# Altium PCB PCB1.PcbDoc
Units mil, origin at the board's own origin, x right, y up, seen from the top; angles counter-clockwise.
Board outline 6000 x 4000 mil, 2 copper layers (Top Layer, Bottom Layer); 36 components, 29 nets, 141 pads, 0 vias.
Unrouted connection lines stored in the file: 78.
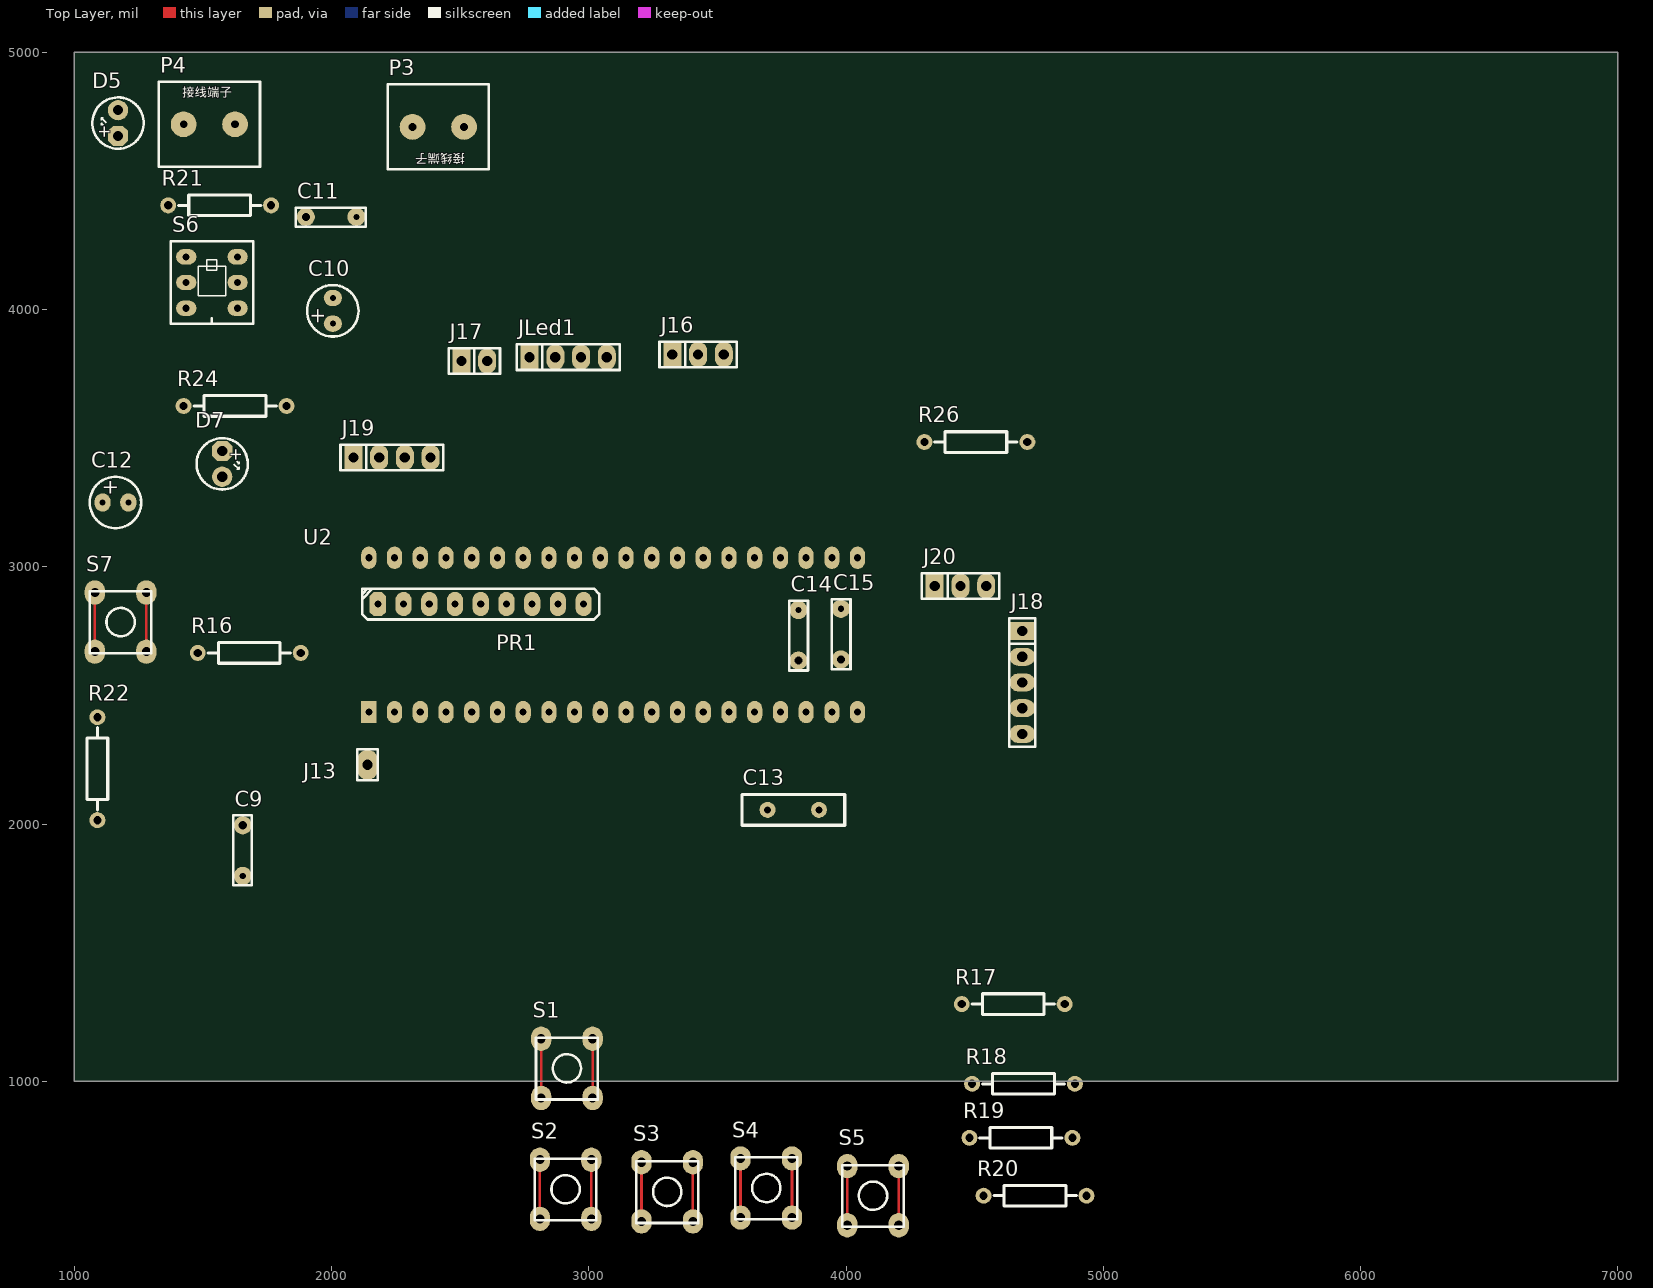
[diagram p0: Top Layer view]
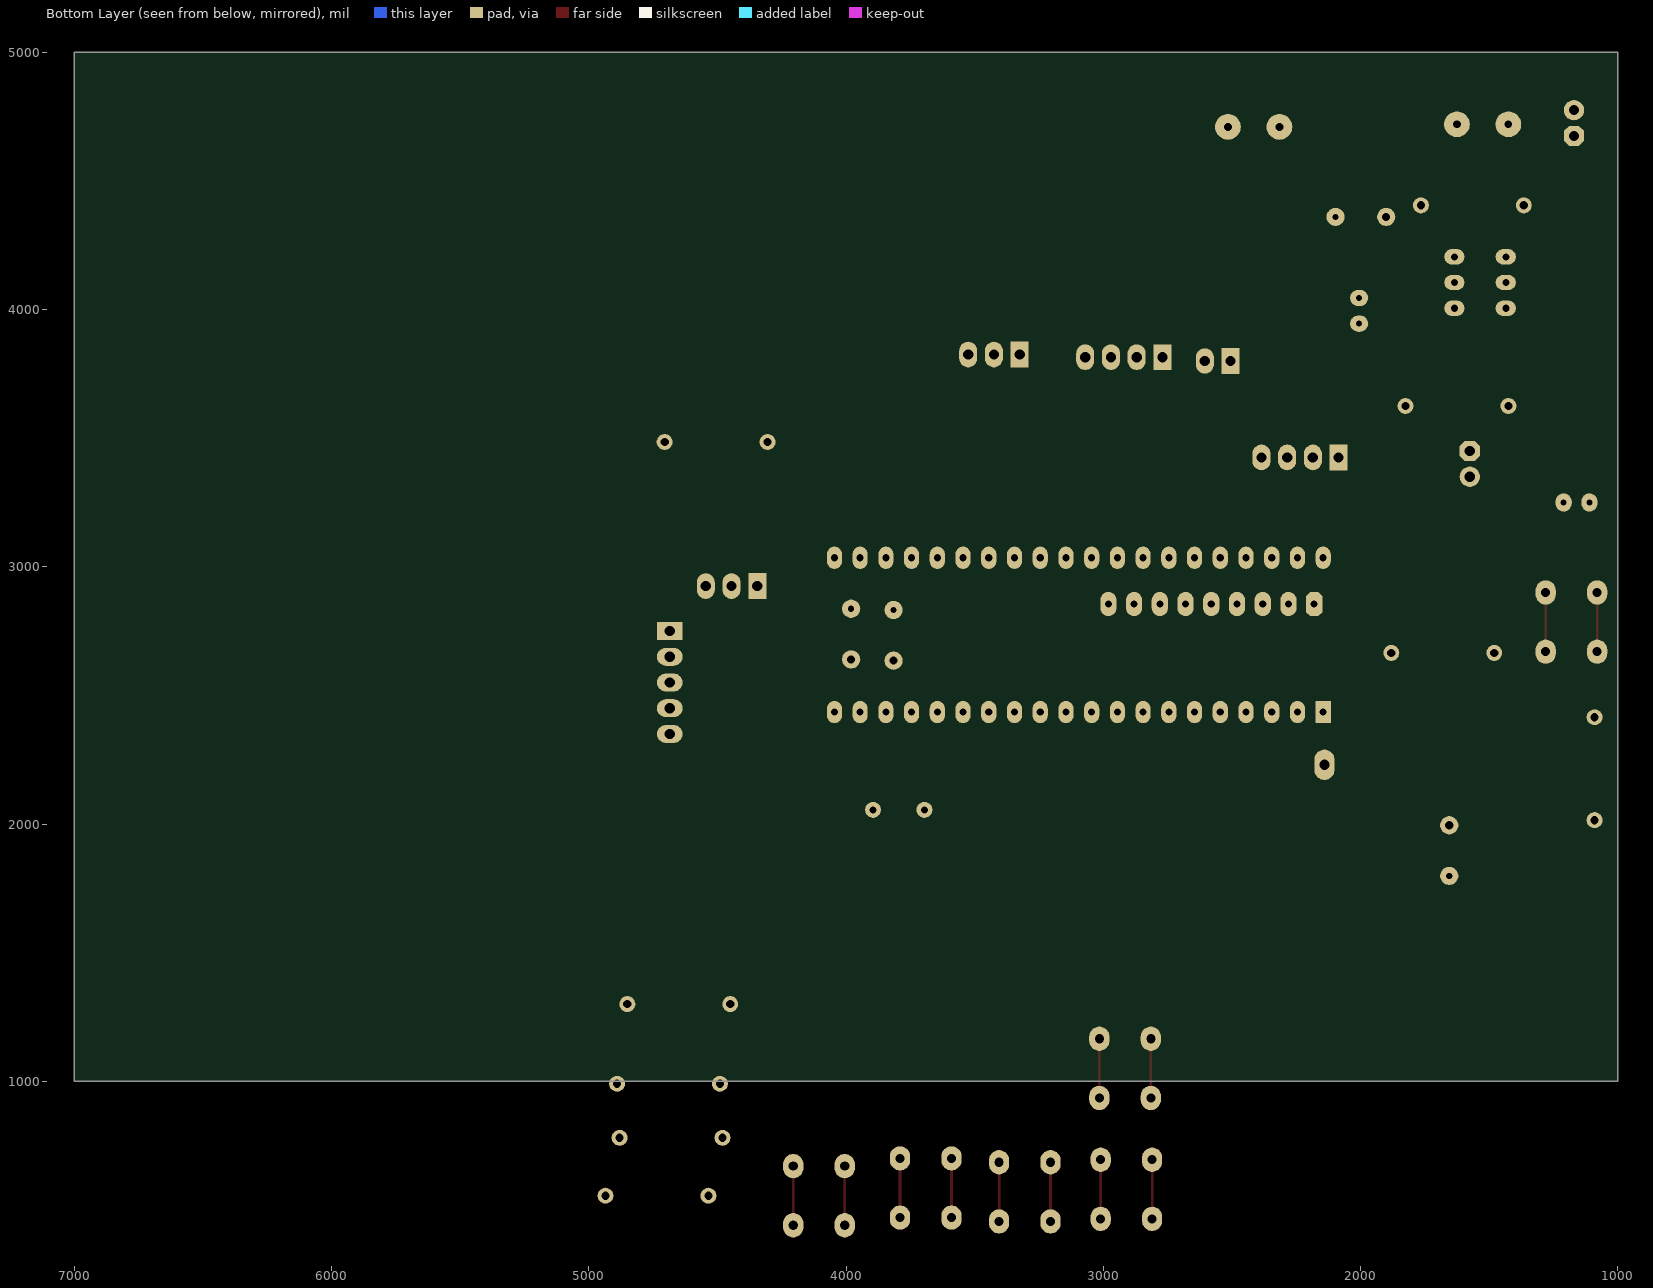
[diagram p1: Bottom Layer view, seen from below]

## Layer stack, top to bottom
Top Solder: solder mask 0.4, Solder Resist, Dk 3.5
Top Layer: signal copper 1.4
Dielectric 1: dielectric 12.6, FR-4, Dk 4.8
Bottom Layer: signal copper 1.4
Bottom Solder: solder mask 0.4, Solder Resist, Dk 3.5

## Board outline
1000,1000 7000,1000 7000,5000 1000,5000

## Design rules (kind name [scope] priority, off if disabled: settings)
Clearance [All] p1: gap=10
PolygonConnect [All] p1: connectstyle=Relief reliefconductorwidth=10 reliefentries=4 polygonreliefangle="90 Angle" airgapwidth=10
RoomDefinition Sheet1 [InComponentClass('Sheet1')] p1: confinementstyle=ConfineIn formatcopy=TRUE lockcomponents=FALSE outline 0,0 2000,0 2000,1000 0,1000
RoutingVias [All] p1: holewidth=28 width=50 viastyle="Through Hole" minholewidth=28 minwidth=50 maxholewidth=28 maxwidth=50
SolderMaskExpansion [All] p1: expansion=4
Width [All] p1: maxlimit=30 minlimit=30 preferedwidth=30
30 further rules are at their usual default settings.

## Components (designator, comment, footprint, x,y, rotation, side; value= is the part's Value field where it differs from the comment)
C9 "47PF" CAP2 1655,1995 r270 top
C10 "10uf" CAO2 2005,3995 r90 top
C11 "104" CAP2 1900,4360 r0 top
C12 "10uf" CAO2 1160,3250 r0 top
C13 "11.0592MHz" XTAL1 3695,2055 r90 top
C14 "30PF" CAP2 3815,2635 r90 top
C15 "30PF" CAP2 3980,2640 r90 top
D5 "LED" LED2_B 1170,4725 r90 top
D7 "LED" LED2_B 1575,3400 r270 top
J13 "CON1" SIP-1 2140,2230 r0 top
J16 "CON3" sip-3 3325,3825 r0 top
J17 "CON2" sip-2 2505,3800 r0 top
J18 "CON5" sip-5 4685,2750 r270 top
J19 "OLED0.96" sip-4 2085,3425 r0 top
J20 "CON3" sip-3 4345,2925 r0 top
JLed1 "CON4" sip-4 2770,3815 r0 top
P3 "接线端子" 接线端子 2415,4710 r180 top
P4 "接线端子" 接线端子 1525,4720 r0 top
PR1 "PRES1" RP1 2180,2855 r0 top
R16 "10K" AXIAL0.4 1880,2665 r180 top
R17 "520" AXIAL0.4 4450,1300 r0 top
R18 "1.8K" AXIAL0.4 4490,990 r0 top
R19 "3.3K" AXIAL0.4 4480,780 r0 top
R20 "5.4K" AXIAL0.4 4535,555 r0 top
R21 "1K" AXIAL0.4 1365,4405 r0 top
R22 "10K" AXIAL0.4 1090,2015 r90 top
R24 "1k" AXIAL0.4 1425,3625 r0 top
R26 "1K" AXIAL0.4 4305,3485 r0 top
S1 "SW-PB" SW6*6 3005,1180 r270 top
S2 "SW-PB" SW6*6 3000,710 r270 top
S3 "SW-PB" SW6*6 3395,700 r270 top
S4 "SW-PB" SW6*6 3780,715 r270 top
S5 "SW-PB" SW6*6 4195,685 r270 top
S6 "SW-DPDT" SWH8*8 1435,4005 r90 top
S7 "SW-PB" SW6*6 1270,2915 r270 top
U2 "STC12C5A06S2-DIP40" DIP-40 2145,2435 r90 top

## Footprints (in the part's own frame and the unit in brackets; to place one, negate y for a bottom-side part, rotate by r counter-clockwise, add the part's x,y. Pads: shape width x height; smd on the part's side, far side on the other; paste and mask are expansions set on the pad)
AXIAL0.4 [mil]
  round 62 hole 32: 1(0,0) 2(400,0)
  silkscreen extent 40,-40 360,40
CAO2 [mm]
  oval 1.6x1.8 hole 0.6: 1(-1.27,0) 2(1.27,0)
  silkscreen extent -2.54,-2.54 2.54,2.54
CAP2 [mm]
  round 1.8 hole 0.8: 1(0,0)
  round 1.8 hole 0.6: 2(5,0)
  silkscreen extent -0.98,-0.95 5.93,0.9
DIP-40 [mm]
  rect 2.2x1.5 hole 0.7: 1(0,0)
  oval 2.2x1.5 hole 0.7: 2(0,-2.54) 3(0,-5.08) 4(0,-7.62) 5(0,-10.16) 6(0,-12.7) 7(0,-15.24) 8(0,-17.78) 9(0,-20.32) 10(0,-22.86) 11(0,-25.4) 12(0,-27.94) 13(0,-30.48) 14(0,-33.02) 15(0,-35.56) 16(0,-38.1) 17(0,-40.64) 18(0,-43.18) 19(0,-45.72) 20(0,-48.26) 21(15.24,-48.26) 22(15.24,-45.72) 23(15.24,-43.18) 24(15.24,-40.64) 25(15.24,-38.1) 26(15.24,-35.56) 27(15.24,-33.02) 28(15.24,-30.48) 29(15.24,-27.94) 30(15.24,-25.4) 31(15.24,-22.86) 32(15.24,-20.32) 33(15.24,-17.78) 34(15.24,-15.24) 35(15.24,-12.7) 36(15.24,-10.16) 37(15.24,-7.62) 38(15.24,-5.08) 39(15.24,-2.54) 40(15.24,0)
LED2_B [mm] "5mm"
  oct 2x2 hole 1: 1(-1.27,0)
  round 2 hole 1: 2(1.27,0)
  silkscreen extent -2.53,-2.53 2.53,2.53, body extent -2.8,-2.91 2.55,2.79, height 8.85
RP1 [mm]
  oct 1.6x2.4 hole 0.7: 1(0,0)
  oval 1.6x2.4 hole 0.7: 2(2.54,0) 3(5.08,0) 4(7.62,0) 5(10.16,0) 6(12.7,0) 7(15.24,0) 8(17.78,0) 9(20.32,0)
  silkscreen extent -1.52,-1.52 21.84,1.52
SIP-1 [mm]
  oval 2x3 hole 1.016: 1(0,0)
  silkscreen extent -1.02,-1.52 1.02,1.52
sip-2 [mil]
  rect 70x100 hole 40: 1(0,0)
  oval 70x98.42 hole 40: 2(100,0)
  silkscreen extent -50,-50 150,50
sip-3 [mil]
  rect 70x100 hole 40: 1(0,0)
  oval 70x100 hole 40: 2(100,0) 3(200,0)
  silkscreen extent -50,-50 250,50
sip-4 [mil]
  rect 70x100 hole 40: 1(0,0)
  oval 70x100 hole 40: 2(100,0) 3(200,0) 4(300,0)
  silkscreen extent -50,-50 350,50
sip-5 [mil]
  rect 70x100 hole 40: 1(0,0)
  oval 70x100 hole 40: 2(100,0) 3(200,0) 4(300,0) 5(400,0)
  silkscreen extent -50,-50 450,50
SW6*6 [mm]
  oval 2.4x2 hole 0.9: 1(0.381,0.254) 1(6.223,0.254) 2(0.381,-4.826) 2(6.223,-4.826)
  Top Layer lines w0.254: 6.223,-4.826 0.381,-4.826 ; 6.223,0.254 0.381,0.254
  silkscreen extent 0.28,-5.34 6.38,0.76
SWH8*8 [mm]
  oval 1.524x2 hole 0.7: 1(0,0) 2(2.54,0) 3(5.08,0) 4(5.08,-5.08) 5(2.54,-5.08) 6(0,-5.08)
  silkscreen extent -1.52,-6.6 6.6,1.52
XTAL1 [mil]
  round 62 hole 28: 1(0,0) 2(0,-200)
  silkscreen extent -60,-300 60,100
接线端子 [mil]
  round 100 hole 30: 1(-100,0) 2(100,0)
  silkscreen extent -197,-165 197,165

## Part data
C9 C11 C14 C15: library part CAP1
C10 C12: library part CAP3
C13: library part CPY
J13 J16 J17 J18 J20 JLed1: "Connector"
J19: library part CON4, "Connector"
R16 R17 R18 R19 R20 R21 R22 R24 R26: library part RES, "电阻"

## Nets (pads, with @x,y where several pads share a name; then routed paths per layer and width w, separated by ;. In a path a pad name is that pad's centre, name@x,y a point inside that pad or via, vN(x,y) a via of type N, cw(c..) or ccw(c..) an arc to the next point about the centre after c; other vN are vias at no path point)
A: J16.1 U2.28
AA: J17.1 PR1.4 U2.37
AD: J13.1 U2.1
B: J16.2 U2.27
BB: J17.2 PR1.5 U2.36
C: J16.3 U2.26
GND: C9.2 C10.2 C11.2 C14.2 C15.2 D5.2 J18.3 J19.1 J20.2 P3.1 P4.2 R22.1 S1.2 S2.2 S3.2 S4.2 S5.2
KEY: C9.1 R16.1 R17.2 R18.2 R19.2 R20.2 S1.1 U2.8
LED1: JLed1.1 PR1.6 U2.35
LED2: JLed1.2 PR1.7 U2.34
LED3: JLed1.3 PR1.8 U2.33
LED4: JLed1.4 PR1.9 U2.32
LED5: D7.2 U2.21
NetC12_2: C12.2 R22.2 S7.1 U2.9
NetC13_1: C13.1 C14.1 U2.18
NetC13_2: C13.2 C15.1 U2.19
NetD5_1: D5.1 R21.1
NetD7_1: D7.1 R24.2
NetP4_1: P4.1 S6.3 S6.4
NetR17_1: R17.1 S2.1
NetR18_1: R18.1 S3.1
NetR19_1: R19.1 S4.1
NetR20_1: R20.1 S5.1
REMOTE: J20.1 R26.1 U2.12
RXD: J18.4 U2.10
SCL: J19.3 PR1.2 U2.39
SDL: J19.4 PR1.3 U2.38
TXD: J18.5 U2.11
VCC: C10.1 C11.1 C12.1 J18.1 J19.2 J20.3 P3.2 PR1.1 R16.2 R21.2 R24.1 R26.2 S6.2 S6.5 S7.2 U2.40
pads on no net: J18.2 S6.1 S6.6 U2.2 U2.3 U2.4 U2.5 U2.6 U2.7 U2.13 U2.14 U2.15 U2.16 U2.17 U2.20 U2.22 U2.23 U2.24 U2.25 U2.29 U2.30 U2.31

## Text inside footprints (layer, text, board x,y; h text height)
C10: Top Overlay "+" at 1971.54,3940.87 h60 r90
C12: Top Overlay "+" at 1105.87,3283.47 h60
D5: Top Overlay "+" at 1137,4663 h47.24 r90
D7: Top Overlay "+" at 1608,3462 h47.24 r270